# KiCad board RS64c.kicad_pcb (continued)
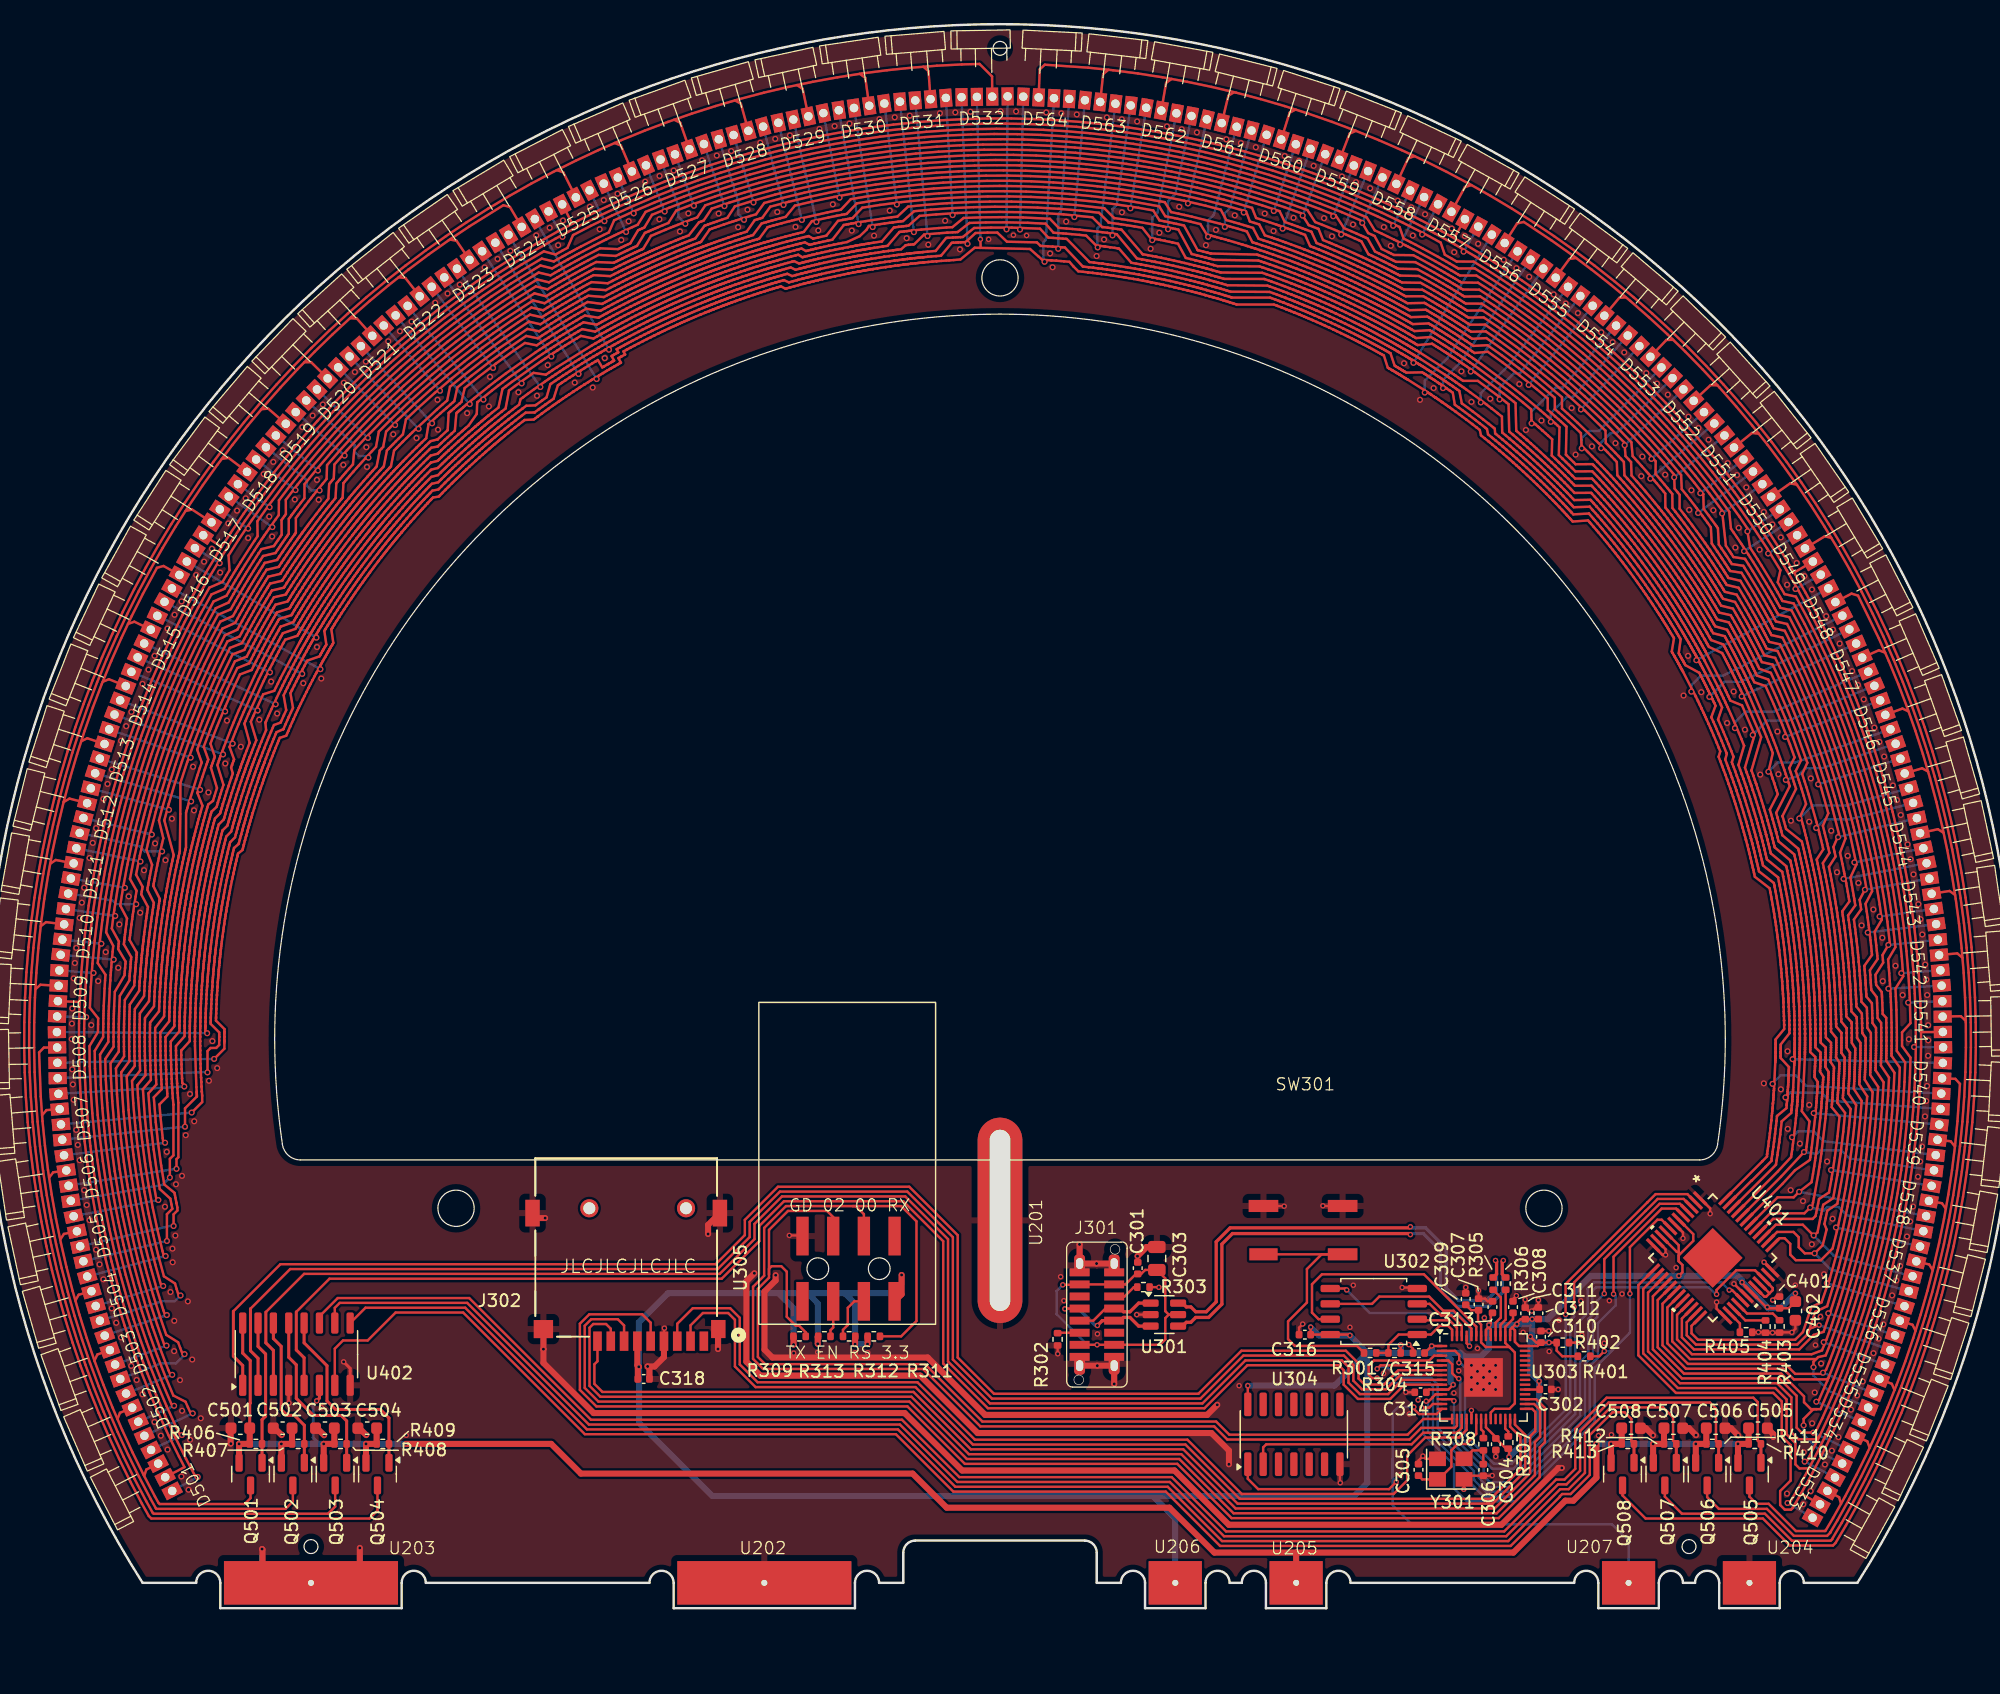
[diagram p0: board, top side]
## Routing (per net, layer and track width the routed paths; a pad name or vN(x,y) marks a point on that pad's centre or on a via; arc(x,y) is an arc through that point) (continued)
LED_r05: length 135
  Top w0.2: U402.10 28.97,24.86 29.38,25.27 39.92,25.27 49.99,15.2 75.72,15.2 80.47,10.45 98.04,10.45 102.54,5.95 125.88,5.95 130.17,10.25 130.87,10.25 131.99,11.37 131.99,14.66 134.35,17.02 142.74,17.02 143.23,16.53 143.23,13.82 R411.2
  Top w0.25: R411.2 Q506.1
LED_R06: length 329.5
  Top w0.2: 149.67,38.95 149.68,39.09 149.8,40.14 149.84,40.54 149.87,40.78 149.88,40.95 149.9,41.17 149.92,41.31 149.94,41.56 149.95,41.7 149.96,41.89 149.97,41.94 149.98,42.09 150,42.32 150.01,42.48 150.02,42.7 150.15,45.3 150.15,45.5 150.15,45.67 150.16,45.89 150.16,46.05 150.16,46.23 150.17,46.43 150.17,46.59 150.17,46.69 150.17,46.81 150.17,46.96 150.17,47.09 150.17,47.24 150.17,47.48 150.17,47.6 150.16,47.88 150.16,47.96 150.16,48.27 150.16,48.32 150.15,48.65 150.15,48.69 150.14,49.04 150.13,49.26 150.13,49.42 150.11,49.8 150.11,49.82 150.1,50.18 150.09,50.34 150.08,50.47 150.08,50.55 150.06,50.83 150.06,50.93 150.04,51.19 150.03,51.37 150.03,51.43 150.02,51.58 149.99,51.95 149.99,52 149.96,52.32 149.95,52.43 149.94,52.65 149.93,52.69 149.91,53.01 149.9,53.07 149.87,53.37 149.85,53.57 149.84,53.74 149.79,54.14 149.74,54.58 149.74,54.65 149.72,54.8 149.68,55.16 149.67,55.24 149.63,55.53 149.61,55.69 149.6,55.73 149.58,55.91 149.53,56.28 149.53,56.31 149.48,56.65 149.46,56.75 149.43,56.96 149.42,57.03 149.37,57.33 149.36,57.4 149.32,57.69 149.29,57.85 149.26,58.06 149.19,58.44 149.11,58.88 149.1,58.93 149.07,59.1 149,59.46 148.99,59.52 148.93,59.83 148.9,59.99 148.86,60.19 148.78,60.58 148.71,60.94 147.44,61.97 147.41,62.11 147.35,62.37 147.33,62.44 147.25,62.76 147.22,62.91 147.17,63.09 147.16,63.15 147.08,63.46 147.06,63.54 146.98,63.82 146.95,63.94 146.89,64.16 146.85,64.31 146.79,64.53 146.77,64.6 146.69,64.9 146.66,64.98 146.56,65.35 146.45,65.72 146.37,65.98 146.33,66.1 146.19,66.55 146.06,66.99 145.99,67.2 145.87,67.56 145.86,67.59 145.75,67.92 145.71,68.03 145.64,68.25 145.63,68.28 145.51,68.62 145.49,68.68 145.38,68.99 145.36,69.05 145.22,69.42 145.09,69.79 145.55,71.38 145.32,71.96 145.32,71.97 145.13,72.42 144.88,73.01 144.46,73.99 144.29,74.36 144.2,74.57 144.13,74.73 144.03,74.93 143.97,75.06 143.87,75.28 143.81,75.41 143.72,75.58 143.7,75.63 143.64,75.77 143.54,75.97 143.47,76.12 143.37,76.31 142.28,78.43 142.26,78.48 142.16,78.66 142.08,78.8 142,78.95 141.97,79.01 141.89,79.15 141.83,79.27 141.77,79.36 141.7,79.5 141.65,79.58 141.58,79.7 141.5,79.84 141.39,80.04 141.3,80.19 141.23,80.31 141.19,80.38 141.1,80.53 141.05,80.63 140.99,80.72 140.9,80.87 140.86,80.94 140.8,81.05 140.71,81.2 140.6,81.38 140.5,81.53 140.4,81.7 140.3,81.86 140.19,82.05 140.1,82.19 140,82.34 139.89,82.53 139.8,82.66 139.7,82.83 139.6,82.97 139.54,83.07 139.49,83.14 139.4,83.28 139.34,83.38 139.29,83.46 139.14,83.68 139.04,83.82 139.01,83.87 138.92,84 138.72,84.31 138.69,84.35 138.51,84.62 138.44,84.71 138.32,84.88 138.29,84.92 138.11,85.18 138.08,85.23 137.9,85.48 137.79,85.64 137.69,85.78 137.45,86.11 137.19,86.47 137.15,86.52 137.06,86.64 136.84,86.93 136.79,86.99 136.61,87.23 136.52,87.35 136.49,87.39 136.38,87.53 136.15,87.83 136.14,87.85 135.92,88.12 135.86,88.2 135.72,88.37 135.68,88.42 135.49,88.66 135.44,88.72 135.26,88.94 135.16,89.07 135.02,89.23 134.78,89.52 134.49,89.87 134.46,89.91 134.35,90.04 134.1,90.32 134.07,90.36 133.86,90.6 133.75,90.73 133.62,90.88 133.36,91.17 133.11,91.45 133.05,91.51 132.9,91.67 132.85,91.74 131.5,91.71 131.4,91.81 131.22,92.01 131.17,92.06 130.94,92.3 130.83,92.41 130.7,92.55 130.66,92.59 130.44,92.82 130.38,92.88 130.17,93.08 130.09,93.17 129.93,93.33 129.82,93.44 129.65,93.6 129.6,93.65 129.38,93.87 129.32,93.92 129.04,94.19 128.76,94.46 128.56,94.65 128.47,94.73 128.17,95.01 128.12,95.05 127.87,95.28 127.78,95.37 127.62,95.51 127.34,95.76 127.32,95.78 127.06,96.01 126.97,96.09 126.79,96.24 126.77,96.26 126.5,96.5 126.45,96.54 126.2,96.76 126.15,96.8 125.85,97.05 125.55,97.3 125.52,98.62 125.16,98.91 124.67,99.3 124.66,99.31 124.27,99.6 123.76,99.99 122.9,100.62 122.58,100.86 122.39,101 122.25,101.1 122.06,101.23 121.95,101.31 121.75,101.45 121.63,101.53 121.47,101.64 121.43,101.67 121.3,101.75 121.11,101.88 120.98,101.97 120.8,102.09 118.8,103.38 118.75,103.41 118.57,103.52 118.44,103.6 118.29,103.69 118.23,103.73 118.1,103.81 117.98,103.88 117.89,103.93 117.76,104.01 117.68,104.06 117.55,104.13 117.41,104.21 117.21,104.33 117.07,104.41 116.94,104.49 116.87,104.53 116.73,104.61 116.63,104.67 116.54,104.72 116.39,104.8 116.32,104.84 116.2,104.91 116.04,104.99 115.87,105.09 115.71,105.18 115.53,105.27 115.37,105.36 115.18,105.47 115.03,105.54 114.87,105.63 114.67,105.73 114.54,105.8 114.36,105.9 114.21,105.97 114.1,106.03 114.02,106.07 113.88,106.14 113.78,106.19 113.69,106.24 113.45,106.35 113.29,106.43 113.24,106.46 113.1,106.53 112.77,106.69 112.73,106.71 112.43,106.85 112.33,106.9 112.14,106.99 112.1,107.01 111.81,107.14 111.76,107.17 111.48,107.29 111.41,107.32 111.3,107.38 111.14,107.45 111.06,107.48 110.77,107.61 110.71,107.64 110.36,107.79 110.3,107.82 110.17,107.88 110,107.95 109.83,108.02 109.76,108.05 109.64,108.1 109.49,108.16 109.34,108.22 109.27,108.25 109.14,108.31 108.91,108.4 108.76,108.46 108.54,108.55 108.44,108.59 108.35,108.63 108.15,108.71 108.09,108.73 107.8,108.84 107.73,108.87 107.46,108.97 107.3,109.03 107.11,109.1 106.75,109.24 106.33,109.39 106.28,109.41 106.12,109.46 102.82,109.49 102.68,109.53 102.43,109.61 102.35,109.63 102.03,109.72 101.89,109.76 101.71,109.81 101.65,109.83 101.35,109.91 101.26,109.94 100.98,110.01 100.86,110.04 100.65,110.1 100.5,110.14 100.27,110.2 100.2,110.22 99.9,110.3 99.82,110.31 99.45,110.41 99.07,110.5 98.8,110.56 98.68,110.59 98.29,110.68 98.22,110.69 97.89,110.77 97.76,110.8 97.56,110.84 97.19,110.92 97.16,110.92 96.82,110.99 96.7,111.02 96.47,111.06 96.45,111.06 96.09,111.13 96.03,111.14 95.7,111.21 95.64,111.22 95.25,111.29 94.86,111.35 93.84,112.53 93.72,112.55 93.49,112.59 93.11,112.64 93.09,112.64 92.72,112.69 92.61,112.71 92.33,112.74 91.97,112.79 ; 149.67,38.95 149.6,38.45 149.59,38.34 149.54,37.96 149.53,37.95 149.48,37.56 149.45,37.34 148.35,36.16 U401.45 ; 149.67,38.95 v2(149.52,38.98) ; v2(92.08,112.62) 92.08,112.65 91.13,113.6 90.58,113.66 89.95,113.72 89.47,113.76 89.23,113.78 88.83,113.81 88.43,113.84 87.77,114.59 86.3,114.66 84.56,114.7 82.83,114.69 81.47,114.65 80.49,113.89 80.31,113.88 80.09,113.87 79.68,113.85 79.6,113.84 78.97,113.8 77.72,113.69 76.91,112.89 76.81,112.88 76.6,112.86 76.42,112.83 76.21,112.81 75.82,112.47 75.56,112.44 75.39,112.41 75.15,112.38 74.77,112.33 74.75,112.33 74.39,112.27 74.34,112.27 73.95,112.21 73.67,112.17 73.65,112.16 73.33,112.11 73.25,112.1 73.06,112.07 72.89,112.04 72.74,112.01 72.67,112 72.56,111.98 72.45,111.96 72.35,111.94 72.18,111.91 71.97,111.87 71.81,111.84 71.58,111.8 71.21,111.73 71.14,111.71 70.88,111.66 70.55,111.59 70.49,111.58 70.09,111.5 69.71,111.41 69.41,111.35 69.03,111.26 68.83,111.21 68.64,111.17 68.45,111.12 68.34,111.09 68.26,111.07 68.07,111.02 67.96,111 67.87,110.97 67.76,110.95 67.59,110.9 67.48,110.87 67.39,110.85 67.09,110.77 66.69,110.97 66.54,110.92 66.29,110.85 66.17,110.82 65.97,110.77 65.81,110.72 65.6,110.66 65.44,110.61 65.33,110.58 65.24,110.55 65.15,110.53 64.95,110.47 64.78,110.42 64.57,110.35 64.41,110.31 64.2,110.24 64.08,110.2 63.84,110.12 63.72,110.09 63.56,110.03 63.52,110.02 63.36,109.97 63.16,109.9 62.82,109.79 62.73,109.76 62.45,109.66 62.38,109.64 62.17,109.57 62.03,109.51 61.83,109.45 61.67,109.39 61.48,109.32 61.33,109.26 61.19,109.22 61.13,109.19 60.94,109.12 60.78,109.06 60.67,109.02 60.57,108.98 60.47,108.95 60.32,108.89 60.16,108.83 60.12,108.81 59.98,108.76 59.83,108.7 59.7,108.65 59.63,108.62 59.49,108.57 59.44,108.54 59.29,108.48 59.14,108.42 59.1,108.41 58.79,108.28 58.69,108.24 58.31,108.08 58.15,108.01 57.97,107.94 57.79,107.86 57.64,107.79 57.45,107.71 57.3,107.65 57.16,107.58 57,107.51 56.82,107.43 56.66,107.36 56.47,107.27 56.32,107.2 56.19,107.14 56.13,107.12 55.98,107.05 55.8,106.96 55.65,106.89 55.54,106.84 55.47,106.8 55.33,106.73 55.2,106.68 55.14,106.64 54.87,106.51 54.75,106.45 54.56,106.36 54.54,106.35 54.24,106.2 54.2,106.18 53.91,106.03 53.87,106.01 53.53,105.84 53.19,105.66 53.08,105.6 52.85,105.48 52.77,105.43 52.59,105.34 52.45,105.26 52.27,105.17 52.17,105.11 51.95,104.99 51.83,104.92 51.71,104.85 51.49,104.73 51.39,104.68 51.14,104.54 51.08,104.5 50.8,104.34 50.76,104.32 50.45,104.13 50.14,103.95 50.1,103.93 49.82,103.76 49.5,103.57 49.18,103.37 48.87,103.17 48.55,102.97 48.23,102.77 48.14,102.71 47.95,102.59 47.91,102.56 47.61,102.36 47.58,102.35 47.26,102.14 47.2,102.1 47.01,101.96 46.94,101.92 46.67,101.74 46.34,101.51 45.47,100.89 44.95,100.52 44.56,100.23 44.34,100.07 44.22,99.61 43.87,99.35 43.69,99.21 43.38,98.97 43.37,98.96 43.04,98.7 42.81,98.52 42.73,98.45 42.51,98.28 42.49,98.26 42.24,98.05 42.18,98 42.03,97.89 41.9,97.77 41.78,97.68 41.73,97.63 41.64,97.56 41.48,97.42 41.35,97.31 41.18,97.17 41.06,97.06 40.97,96.99 40.89,96.91 40.67,96.73 40.55,96.62 40.38,96.47 40.34,96.44 40.09,96.21 40.05,96.17 39.81,95.96 39.75,95.9 39.46,95.64 39.24,95.44 38.95,95.17 38.8,95.03 38.66,94.89 38.51,94.76 38.43,94.68 38.37,94.62 38.23,94.48 38.15,94.41 38.08,94.34 38,94.26 37.88,94.14 37.79,94.06 37.73,93.99 37.51,93.77 36.96,93.63 36.77,93.45 36.69,93.36 36.54,93.21 36.42,93.09 36.28,92.94 36.16,92.82 36.08,92.73 36.01,92.66 35.95,92.59 35.81,92.44 35.69,92.31 35.54,92.16 35.43,92.03 35.28,91.87 35.19,91.78 35.02,91.59 34.94,91.5 34.84,91.39 34.79,91.34 34.68,91.22 34.54,91.06 34.29,90.77 34.24,90.72 34.03,90.48 34,90.44 33.85,90.27 33.75,90.16 33.62,90 33.51,89.87 33.38,89.71 33.26,89.57 33.18,89.48 33.14,89.42 33.07,89.34 33.01,89.27 32.9,89.14 32.83,89.05 32.76,88.97 32.69,88.89 32.59,88.76 32.48,88.63 32.45,88.59 32.36,88.47 32.27,88.37 32.17,88.24 32.13,88.19 32.04,88.07 32,88.02 31.9,87.89 31.8,87.77 31.77,87.73 31.57,87.47 31.5,87.38 31.26,87.06 31.15,86.91 31.03,86.76 30.91,86.6 30.81,86.47 30.69,86.31 30.6,86.18 30.51,86.05 30.4,85.91 30.28,85.74 30.19,85.6 30.07,85.43 29.97,85.3 29.89,85.18 29.85,85.13 29.76,84.99 29.64,84.83 29.55,84.7 29.47,84.59 29.43,84.53 29.34,84.4 29.26,84.28 29.23,84.23 29.06,83.98 28.98,83.87 28.87,83.69 28.85,83.67 28.67,83.39 28.65,83.35 28.47,83.08 28.44,83.04 28.27,82.77 28.24,82.72 28.07,82.46 28.03,82.4 27.97,82.3 27.87,82.14 27.83,82.07 27.78,81.99 27.67,81.82 27.59,81.68 27.48,81.5 27.42,81.41 27.28,81.18 27.22,81.08 27.15,80.96 27.09,80.85 27.02,80.74 26.96,80.65 26.89,80.52 26.82,80.4 26.78,80.34 26.7,80.19 26.6,80.02 26.5,79.85 26.42,79.71 26.31,79.51 26.22,79.36 26.12,79.17 26.06,79.07 25.88,78.74 25.71,78.41 25.53,78.08 25.35,77.75 25.18,77.41 25.13,77.31 25.03,77.11 25.01,77.07 24.84,76.75 24.83,76.73 24.66,76.38 24.63,76.32 24.52,76.1 24.49,76.03 24.35,75.74 24.18,75.38 23.73,74.41 23.47,73.83 23.27,73.38 23.23,73.28 23.29,72.68 23.12,72.27 23.03,72.06 22.89,71.7 22.88,71.68 22.72,71.3 22.62,71.02 22.58,70.93 22.48,70.67 22.47,70.64 22.35,70.33 22.32,70.26 22.26,70.09 22.2,69.92 22.15,69.78 22.12,69.71 22.08,69.61 22.01,69.41 21.95,69.24 21.88,69.04 21.83,68.88 21.75,68.67 21.63,68.31 21.61,68.25 21.52,67.99 21.41,67.67 21.39,67.61 21.27,67.23 21.15,66.85 21.06,66.56 20.94,66.19 20.89,65.99 20.83,65.81 20.77,65.61 20.74,65.5 20.72,65.43 20.67,65.24 20.64,65.14 20.61,65.04 20.58,64.93 20.53,64.77 20.5,64.65 20.48,64.56 20.4,64.29 19.99,63.86 19.92,63.61 19.89,63.5 19.84,63.29 19.8,63.13 19.75,62.92 19.71,62.76 19.68,62.64 19.66,62.55 19.64,62.46 19.59,62.26 19.55,62.09 19.5,61.88 19.46,61.71 19.42,61.5 19.39,61.37 19.34,61.16 19.31,61 19.26,60.8 19.23,60.64 19.19,60.43 19.11,60.06 19.1,59.99 19.02,59.62 18.98,59.4 18.95,59.25 18.92,59.05 18.89,58.88 18.85,58.68 18.82,58.52 18.8,58.38 18.79,58.31 18.77,58.2 18.73,58 18.71,57.83 18.67,57.62 18.65,57.46 18.62,57.29 18.61,57.24 18.59,57.1 18.55,56.87 18.53,56.73 18.5,56.53 18.48,56.37 18.46,56.21 18.45,56.16 18.4,55.79 18.39,55.72 18.34,55.32 18.32,55.14 18.3,54.95 18.27,54.75 18.25,54.59 18.23,54.39 18.21,54.23 18.2,54.07 18.18,53.89 18.16,53.69 18.14,53.52 18.12,53.32 18.11,53.16 18.09,53.01 18.09,52.95 18.07,52.78 18.06,52.58 18.04,52.42 18.03,52.29 18.03,52.22 18.02,52.06 18.01,51.92 18,51.85 17.98,51.55 17.97,51.42 17.96,51.18 17.94,50.84 17.93,50.81 17.91,50.43 17.9,50.05 17.88,49.67 17.87,49.55 17.87,49.29 17.86,49.19 17.86,48.99 17.85,48.83 17.85,48.62 17.84,48.51 17.84,48.26 17.84,48.12 17.84,47.98 17.83,47.73 17.83,47.62 17.83,47.34 17.83,47.26 17.83,46.94 17.83,46.9 17.83,46.53 17.84,46.17 17.84,46.13 17.84,45.8 17.85,45.43 17.86,45.06 17.87,44.68 17.89,44.3 17.91,43.93 17.91,43.82 17.92,43.59 17.93,43.54 17.95,43.19 17.95,43.16 17.97,42.77 17.98,42.7 17.99,42.47 18,42.39 18,41.89 v2(17.13,41.02)
  Bottom w0.2: D531.3 v2(78,113.56) ; D547.3 148,74.19 145.68,74.19 144.8,73.31 v2(144.8,72.84) ; v2(92.08,112.62) 92.06,112.65 92.06,114.2 92.31,114.45 D563.3 ; D515.3 v2(24.08,74.81) ; D555.3 126.09,102.86 123.79,100.56 123.77,100.56 v2(123.77,99.8) ; v2(149.52,38.98) 150.01,39.47 151.31,39.47 152.13,38.65 D539.3 ; D507.3 17.1,41.02 v2(17.13,41.02) ; D523.3 v2(45.97,101.07)
LED_r06: length 128.7
  Top w0.2: U402.9 31.51,24.87 39.76,24.87 49.83,14.8 75.55,14.8 80.31,10.05 97.88,10.05 102.37,5.55 126.04,5.55 130.34,9.85 131.04,9.85 132.39,11.2 132.39,14.5 134.51,16.62 138.86,16.62 139.68,15.8 139.68,13.87 R412.2
  Top w0.25: R412.2 Q507.1
LED_R07: length 335.2
  Top w0.2: v2(87.69,111.43) 87.15,111.9 86.48,112.49 82.4,112.59 ; 82.4,112.59 v1(82.38,113.3) ; 82.4,112.59 81.9,112.6 80.73,111.63 80.17,111.58 79.83,111.56 79.75,111.55 79.56,111.54 79.15,111.51 79.14,111.51 78.74,111.48 78.45,111.45 78.35,111.44 78.09,111.42 78.04,111.41 77.76,111.39 77.64,111.38 77.47,111.36 77.37,111.35 77.24,111.34 77.08,111.32 76.99,111.31 76.78,111.29 76.6,111.27 76.38,111.24 76.23,111.22 76.11,111.21 75.98,111.19 75.72,111.16 75.56,111.14 75.33,111.11 74.95,111.05 74.93,111.05 74.57,111 74.53,110.99 74.15,110.93 73.88,110.89 73.85,110.89 73.53,110.84 73.46,110.82 73.28,110.79 73.11,110.76 72.96,110.74 72.89,110.73 72.78,110.71 72.67,110.69 72.58,110.67 72.41,110.64 72.28,110.62 72.21,110.6 72.04,110.57 71.88,110.54 71.83,110.53 71.48,110.47 71.39,110.45 71.13,110.4 70.81,110.33 70.75,110.32 70.36,110.23 69.99,110.15 69.7,110.09 69.32,110 69.13,109.95 68.94,109.91 68.75,109.86 68.64,109.84 68.57,109.82 68.38,109.77 68.28,109.75 68.18,109.72 68.08,109.7 67.92,109.66 67.8,109.63 67.71,109.6 67.42,109.53 67.28,109.49 67.03,109.42 66.96,109.4 66.71,109.33 66.6,109.3 66.4,109.25 66.25,109.2 65.88,109.4 65.81,109.38 65.69,109.34 65.6,109.32 65.52,109.29 65.32,109.23 65.15,109.18 64.95,109.12 64.8,109.07 64.59,109.01 64.47,108.97 64.23,108.89 64.12,108.86 63.96,108.81 63.76,108.74 63.57,108.68 63.24,108.57 63.15,108.54 62.87,108.44 62.8,108.42 62.6,108.35 62.45,108.3 62.27,108.23 62.11,108.18 61.92,108.11 61.77,108.05 61.64,108 61.47,107.94 61.39,107.91 61.23,107.85 61.12,107.81 61.03,107.78 60.93,107.74 60.78,107.68 60.63,107.62 60.58,107.61 60.45,107.55 60.3,107.5 60.17,107.45 60.11,107.42 59.97,107.37 59.92,107.35 59.77,107.29 59.63,107.23 59.55,107.2 59.28,107.09 59.17,107.04 58.81,106.89 58.65,106.82 58.48,106.75 58.3,106.67 58.15,106.61 57.97,106.53 57.82,106.47 57.68,106.4 57.52,106.33 57.35,106.25 57.19,106.18 57.01,106.1 56.86,106.03 56.73,105.97 56.67,105.95 56.53,105.88 56.35,105.79 56.21,105.73 56.09,105.67 56.03,105.64 55.88,105.57 55.76,105.51 55.7,105.48 55.44,105.35 55.32,105.3 55.11,105.19 54.82,105.05 54.78,105.03 54.5,104.88 54.45,104.86 54.12,104.69 53.79,104.52 53.69,104.46 53.46,104.34 53.37,104.3 53.2,104.2 53.06,104.13 52.89,104.03 52.85,104.01 52.99,103.76 52.93,103.73 52.71,103.61 52.6,103.55 52.43,103.46 52.64,103.08 52.47,102.99 52.38,102.93 52.29,102.88 52.14,102.8 52.08,102.76 51.94,102.68 51.77,102.58 51.67,102.52 51.47,102.41 51.32,102.32 51.16,102.23 51.13,102.21 50.97,102.11 50.85,102.04 50.55,101.85 50.24,101.67 50.14,101.61 49.93,101.47 49.62,101.28 49.6,101.27 49.31,101.08 49.19,101 49.04,100.9 49,100.88 48.71,100.69 48.65,100.65 48.38,100.47 48.32,100.43 48.16,100.32 48.06,100.26 47.83,100.1 47.65,99.97 47.48,99.86 47.31,99.74 47.17,99.64 46.98,99.51 46.65,99.28 46.59,99.23 46.4,99.1 46.13,98.9 46.08,98.86 45.75,98.62 45.57,98.49 45.43,98.38 44.68,98.34 44.66,98.33 44.48,98.19 44.18,97.96 44.16,97.94 43.93,97.76 43.84,97.69 43.62,97.51 43.54,97.45 43.33,97.28 43.3,97.26 43.06,97.06 43,97.01 42.86,96.89 42.72,96.78 42.61,96.69 42.55,96.64 42.47,96.57 42.32,96.44 42.18,96.33 42.02,96.19 41.9,96.08 41.81,96.01 41.73,95.94 41.52,95.76 41.4,95.65 41.23,95.5 41.2,95.47 40.95,95.25 40.91,95.21 40.67,95 40.61,94.95 40.33,94.69 40.11,94.49 39.83,94.22 39.68,94.09 39.55,93.96 39.4,93.82 39.32,93.74 39.26,93.69 39.13,93.56 39.05,93.48 38.98,93.42 38.9,93.34 38.78,93.22 38.7,93.14 38.63,93.08 38.42,92.86 38.32,92.76 38.13,92.58 38.08,92.52 37.9,92.34 37.82,92.26 37.68,92.11 37.57,92 37.1,91.93 37.01,91.84 36.95,91.77 36.89,91.71 36.75,91.56 36.62,91.42 36.48,91.28 36.37,91.16 36.34,91.12 36.23,91 36.14,90.91 36.06,90.82 35.97,90.72 35.89,90.63 35.79,90.52 35.75,90.48 35.64,90.36 35.51,90.2 35.26,89.92 35.21,89.87 35,89.63 34.97,89.59 34.83,89.43 34.73,89.32 34.6,89.16 34.49,89.04 34.36,88.88 34.25,88.74 34.17,88.65 34.06,88.52 34,88.45 33.89,88.32 33.82,88.23 33.76,88.15 33.69,88.07 33.59,87.95 33.49,87.82 33.46,87.78 33.37,87.67 33.28,87.56 33.18,87.44 33.14,87.38 33.05,87.27 33.02,87.22 32.92,87.1 32.82,86.97 32.79,86.94 32.59,86.68 32.53,86.59 32.28,86.28 32.18,86.14 32.07,85.99 31.95,85.83 31.85,85.7 31.73,85.54 31.64,85.41 31.55,85.29 31.45,85.15 31.33,84.99 31.24,84.85 31.12,84.69 31.02,84.56 30.94,84.44 30.91,84.39 30.81,84.26 30.7,84.09 30.61,83.96 30.54,83.86 30.5,83.8 30.41,83.67 30.33,83.56 30.29,83.5 30.13,83.26 30.06,83.15 29.94,82.98 29.93,82.95 29.75,82.68 29.72,82.65 29.55,82.38 29.52,82.34 29.35,82.08 29.32,82.03 29.16,81.77 29.12,81.71 29.06,81.61 28.97,81.46 28.92,81.39 28.87,81.31 28.77,81.14 28.69,81.01 28.85,79.89 28.81,79.83 28.75,79.72 28.69,79.63 28.62,79.51 28.55,79.39 28.52,79.33 28.43,79.19 28.34,79.03 28.28,78.92 28.25,78.86 28.17,78.72 28.08,78.57 27.97,78.38 27.87,78.2 27.82,78.1 27.78,78.03 27.65,77.78 27.59,77.68 27.47,77.46 27.4,77.32 27.3,77.14 27.13,76.82 27.12,76.8 26.96,76.49 26.9,76.37 26.81,76.2 26.79,76.16 26.64,75.85 26.61,75.79 26.46,75.49 26.43,75.43 26.35,75.26 26.29,75.16 26.17,74.9 26.07,74.7 25.99,74.52 25.9,74.33 25.83,74.17 25.73,73.96 25.56,73.6 25.53,73.53 25.44,73.32 25.3,73.02 25.27,72.95 25.11,72.58 25.02,72.38 24.95,72.21 24.42,72.03 24.32,71.8 24.31,71.78 24.22,71.57 24.08,71.22 24.07,71.2 23.96,70.93 23.92,70.82 23.82,70.55 23.78,70.46 23.68,70.2 23.67,70.18 23.56,69.88 23.53,69.81 23.47,69.64 23.41,69.47 23.36,69.33 23.33,69.27 23.3,69.16 23.23,68.97 23.17,68.81 23.1,68.61 23.04,68.46 22.97,68.25 22.85,67.9 22.83,67.83 22.74,67.58 22.64,67.27 22.62,67.21 22.5,66.83 22.38,66.47 22.29,66.18 22.18,65.81 22.12,65.62 22.07,65.44 22.01,65.25 21.98,65.14 21.96,65.07 21.91,64.88 21.88,64.78 21.85,64.69 21.82,64.58 21.78,64.42 21.74,64.31 21.72,64.22 21.65,63.95 21.6,63.79 21.55,63.58 21.52,63.46 21.45,63.21 21.42,63.1 21.37,62.91 21.34,62.76 20.96,62.45 20.93,62.34 20.91,62.25 20.89,62.16 20.85,61.96 20.81,61.8 20.76,61.59 20.72,61.43 20.67,61.22 20.65,61.09 20.6,60.88 20.57,60.73 20.52,60.53 20.49,60.37 20.45,60.17 20.38,59.8 20.36,59.73 20.29,59.37 20.25,59.16 20.22,59.01 20.19,58.82 20.16,58.65 20.12,58.45 20.09,58.3 20.07,58.16 20.04,57.99 20.01,57.79 19.98,57.62 19.94,57.41 19.92,57.26 19.89,57.09 19.89,57.05 19.86,56.9 19.83,56.68 19.81,56.54 19.78,56.34 19.76,56.19 19.74,56.03 19.73,55.98 19.68,55.62 19.67,55.55 19.62,55.16 19.6,54.98 19.58,54.8 19.56,54.6 19.54,54.44 19.51,54.24 19.5,54.09 19.48,53.93 19.46,53.76 19.44,53.57 19.43,53.4 19.41,53.2 19.39,53.04 19.38,52.9 19.37,52.83 19.36,52.67 19.34,52.47 19.33,52.32 19.32,52.19 19.31,52.12 19.3,51.96 19.29,51.83 19.29,51.76 19.27,51.46 19.26,51.33 19.24,51.1 19.22,50.77 19.22,50.73 19.2,50.37 19.18,49.99 19.17,49.62 19.16,49.5 19.16,49.25 19.15,49.15 19.15,48.95 19.14,48.8 19.14,48.63 19.84,47.93 19.84,47.91 19.84,47.71 19.84,47.61 19.84,47.5 19.83,47.33 19.83,47.26 19.83,47.09 19.83,46.91 19.84,46.78 19.84,46.31 v2(18.99,45.46) ; 119.09,100.82 117.74,101.68 117.59,101.77 117.52,101.81 117.39,101.89 117.25,101.97 117.19,102.01 117.04,102.1 116.95,102.16 116.86,102.21 116.73,102.29 116.65,102.33 116.53,102.4 116.4,102.48 116.21,102.6 116.08,102.67 115.76,103.68 115.69,103.72 115.57,103.78 115.42,103.86 115.25,103.96 115.09,104.05 114.92,104.14 114.76,104.23 114.57,104.33 114.42,104.4 114.27,104.49 114.07,104.59 113.94,104.66 113.77,104.75 113.62,104.82 113.51,104.88 113.44,104.92 113.3,104.99 113.19,105.04 113.11,105.08 112.88,105.2 112.72,105.28 112.67,105.3 112.53,105.37 112.21,105.53 112.17,105.55 111.88,105.68 111.78,105.73 111.59,105.82 111.55,105.84 111.27,105.97 111.22,106 110.94,106.12 110.88,106.15 110.77,106.2 110.61,106.27 110.54,106.31 110.25,106.43 110.19,106.46 109.84,106.61 109.79,106.63 109.66,106.69 109.49,106.76 109.32,106.83 109.26,106.86 109.14,106.91 108.99,106.97 108.78,107.06 108.65,107.12 108.42,107.21 108.28,107.27 108.06,107.35 107.96,107.39 107.88,107.43 107.68,107.51 107.62,107.53 107.34,107.64 107.27,107.66 107,107.77 106.85,107.82 106.66,107.9 103.57,107.9 103.56,107.91 103.36,107.97 103.21,108.02 103.01,108.08 102.92,108.11 102.83,108.14 102.66,108.19 102.55,108.22 102.44,108.25 102.31,108.29 102.06,108.37 101.99,108.39 101.68,108.48 101.54,108.52 101.36,108.57 101.3,108.59 101,108.67 100.92,108.69 100.65,108.77 100.53,108.8 100.32,108.86 100.17,108.89 99.95,108.95 99.88,108.97 99.59,109.04 99.51,109.06 99.14,109.15 98.77,109.24 98.51,109.31 98.39,109.33 98.01,109.42 97.94,109.43 97.62,109.51 97.49,109.53 97.29,109.58 97.22,109.59 96.93,109.65 96.83,109.67 96.57,109.73 96.43,109.75 96.2,109.8 95.85,109.87 95.79,109.88 95.47,109.94 95.41,109.95 95.03,110.02 94.65,110.08 94.42,110.12 94.26,110.15 93.83,110.21 93.38,110.28 93.16,110.31 92.79,110.37 92.78,110.37 92.42,110.42 92.31,110.43 92.08,110.46 92.04,110.47 91.7,110.51 91.66,110.51 91.31,110.56 91.27,110.56 90.87,110.6 90.48,110.65 90.07,111.05 89.74,111.43 89.3,111.47 89.28,111.47 89.05,111.49 88.66,111.52 88.27,111.55 88.18,111.55 87.88,111.57 87.54,111.59 ; 119.09,100.82 v2(119.14,100.61) ; 119.09,100.82 119.24,100.72 119.38,100.63 119.55,100.51 119.69,100.42 119.86,100.31 120.03,100.2 120.17,100.1 120.33,99.99 120.49,99.88 120.61,99.8 120.8,99.66 120.91,99.58 121.05,99.49 121.09,99.46 121.23,99.36 121.37,99.26 121.41,99.23 121.7,99.02 121.73,99 122.02,98.79 122.21,98.65 122.55,98.39 122.59,98.36 123.05,98.01 123.09,97.98 123.43,97.72 123.43,97.72 123.69,97.51 123.79,97.07 124.08,96.83 124.1,96.82 124.42,96.56 124.54,96.46 124.73,96.31 125.03,96.06 125.32,95.81 125.36,95.77 125.61,95.56 125.66,95.52 125.93,95.29 126.12,95.12 126.21,95.04 126.41,94.87 126.49,94.8 126.71,94.6 126.76,94.55 126.92,94.4 127.01,94.33 127.25,94.1 127.3,94.06 127.59,93.79 127.68,93.71 127.88,93.52 128.15,93.26 128.43,92.99 128.48,92.94 128.7,92.73 128.75,92.68 128.91,92.52 129.02,92.41 129.19,92.24 129.26,92.17 129.46,91.97 129.52,91.91 129.74,91.69 129.78,91.65 129.93,91.49 130.01,91.41 130.23,91.17 130.28,91.12 130.46,90.93 130.56,90.83 130.63,90.75 130.72,90.66 130.83,90.54 130.9,90.47 130.96,90.39 131.11,90.24 131.21,90.13 131.35,89.97 131.38,89.94 132.65,90.03 132.79,89.86 132.89,89.76 133.09,89.52 133.13,89.48 133.37,89.2 133.47,89.07 133.51,89.03 133.79,88.7 134.03,88.41 134.16,88.25 134.26,88.13 134.44,87.9 134.49,87.84 134.68,87.61 134.72,87.56 134.85,87.4 134.91,87.32 135.12,87.05 135.14,87.03 135.36,86.74 135.47,86.6 135.59,86.45 135.76,86.22 135.81,86.16 136.02,85.87 136.11,85.75 136.15,85.7 136.41,85.35 136.64,85.02 136.74,84.89 136.85,84.73 137.03,84.49 137.06,84.44 137.24,84.18 137.26,84.15 137.38,83.97 137.45,83.88 137.62,83.62 137.65,83.58 137.85,83.28 137.94,83.16 138.01,83.05 138.07,82.96 138.21,82.75 138.26,82.67 138.32,82.57 138.41,82.44 138.45,82.37 138.52,82.27 138.61,82.13 138.72,81.96 138.81,81.82 138.91,81.65 139.01,81.5 139.11,81.34 139.21,81.18 139.3,81.02 139.4,80.86 139.5,80.71 139.6,80.54 139.69,80.38 139.76,80.28 139.57,79.17 139.65,79.04 139.76,78.85 139.84,78.71 139.9,78.59 139.98,78.46 140.02,78.38 140.09,78.27 140.15,78.15 140.21,78.04 140.24,77.98 140.33,77.83 140.43,77.64 140.51,77.48 141.5,75.57 141.57,75.43 141.67,75.23 141.75,75.06 141.83,74.9 141.91,74.72 141.99,74.55 142.06,74.42 142.16,74.21 142.22,74.08 142.28,73.94 142.3,73.89 142.38,73.73 142.45,73.57 142.47,73.53 142.62,73.2 142.63,73.17 142.78,72.84 142.87,72.62 143.04,72.23 143.06,72.18 143.28,71.65 143.3,71.6 143.46,71.22 143.46,71.2 143.58,70.91 143.45,70.47 143.58,70.12 143.59,70.09 143.74,69.71 143.79,69.56 143.88,69.34 144.01,68.97 144.14,68.61 144.16,68.56 144.27,68.25 144.29,68.2 144.41,67.86 144.42,67.83 144.49,67.62 144.53,67.5 144.64,67.18 144.65,67.15 144.76,66.8 144.83,66.59 144.96,66.17 145.1,65.73 145.13,65.61 145.21,65.35 145.32,64.98 145.43,64.62 145.45,64.55 145.53,64.26 145.55,64.18 145.61,63.96 145.65,63.82 145.71,63.59 145.74,63.49 145.81,63.21 145.83,63.13 145.91,62.83 145.92,62.78 145.97,62.57 146,62.45 146.08,62.14 146.1,62.07 146.16,61.81 146.19,61.68 146.21,61.57 146.24,61.46 146.28,61.29 146.3,61.19 146.32,61.1 146.37,60.89 146.4,60.74 146.45,60.54 147.67,59.58 147.73,59.28 147.74,59.22 147.8,58.86 147.83,58.7 147.84,58.65 147.92,58.21 147.98,57.85 148.02,57.65 148.04,57.49 148.09,57.2 148.1,57.13 148.15,56.83 148.15,56.77 148.19,56.56 148.2,56.46 148.25,56.13 148.25,56.1 148.3,55.74 148.33,55.56 148.35,55.37 148.39,55.08 148.4,55.01 148.44,54.65 148.46,54.51 148.46,54.44 148.51,54.01 148.55,53.61 148.57,53.44 148.59,53.25 148.62,52.95 148.62,52.89 148.65,52.58 148.65,52.54 148.67,52.33 148.68,52.22 148.7,51.9 148.7,51.86 148.73,51.5 148.74,51.34 148.75,51.22 148.76,51.11 148.77,50.85 148.78,50.76 148.79,50.48 148.8,50.4 148.8,50.28 148.81,50.12 148.82,49.77 148.83,49.75 148.84,49.37 148.85,49.21 148.85,49 148.86,48.66 148.86,48.62 148.87,48.29 148.87,48.24 148.87,47.94 148.16,47.08 148.16,46.96 148.16,46.82 148.16,46.67 148.16,46.61 148.16,46.41 148.16,46.26 148.16,46.03 148.15,45.9 148.15,45.7 148.15,45.53 148.14,45.32 148.14,45.19 148.05,43.39 ; U401.48 147.07,37 147.07,37 147.45,37.38 147.45,37.55 147.45,37.56 147.46,37.63 147.49,37.85 147.55,38.23 147.55,38.24 147.6,38.61 147.61,38.71 147.64,38.93 147.69,39.28 147.69,39.33 147.74,39.72 147.74,39.75 147.77,39.99 147.81,40.35 147.81,40.39 147.85,40.74 147.85,40.78 147.87,40.97 147.89,41.13 147.89,41.19 147.91,41.35 147.92,41.48 147.94,41.72 147.95,41.86 147.97,42.05 147.97,42.1 147.98,42.24 148,42.47 148.01,42.62 148.02,42.84 148.03,42.99 148.05,43.39 ; v2(147.91,43.4) 148.05,43.39